# Altium PCB 脑电采集板V5.0.PcbDoc (part 1 of 2) (continued)
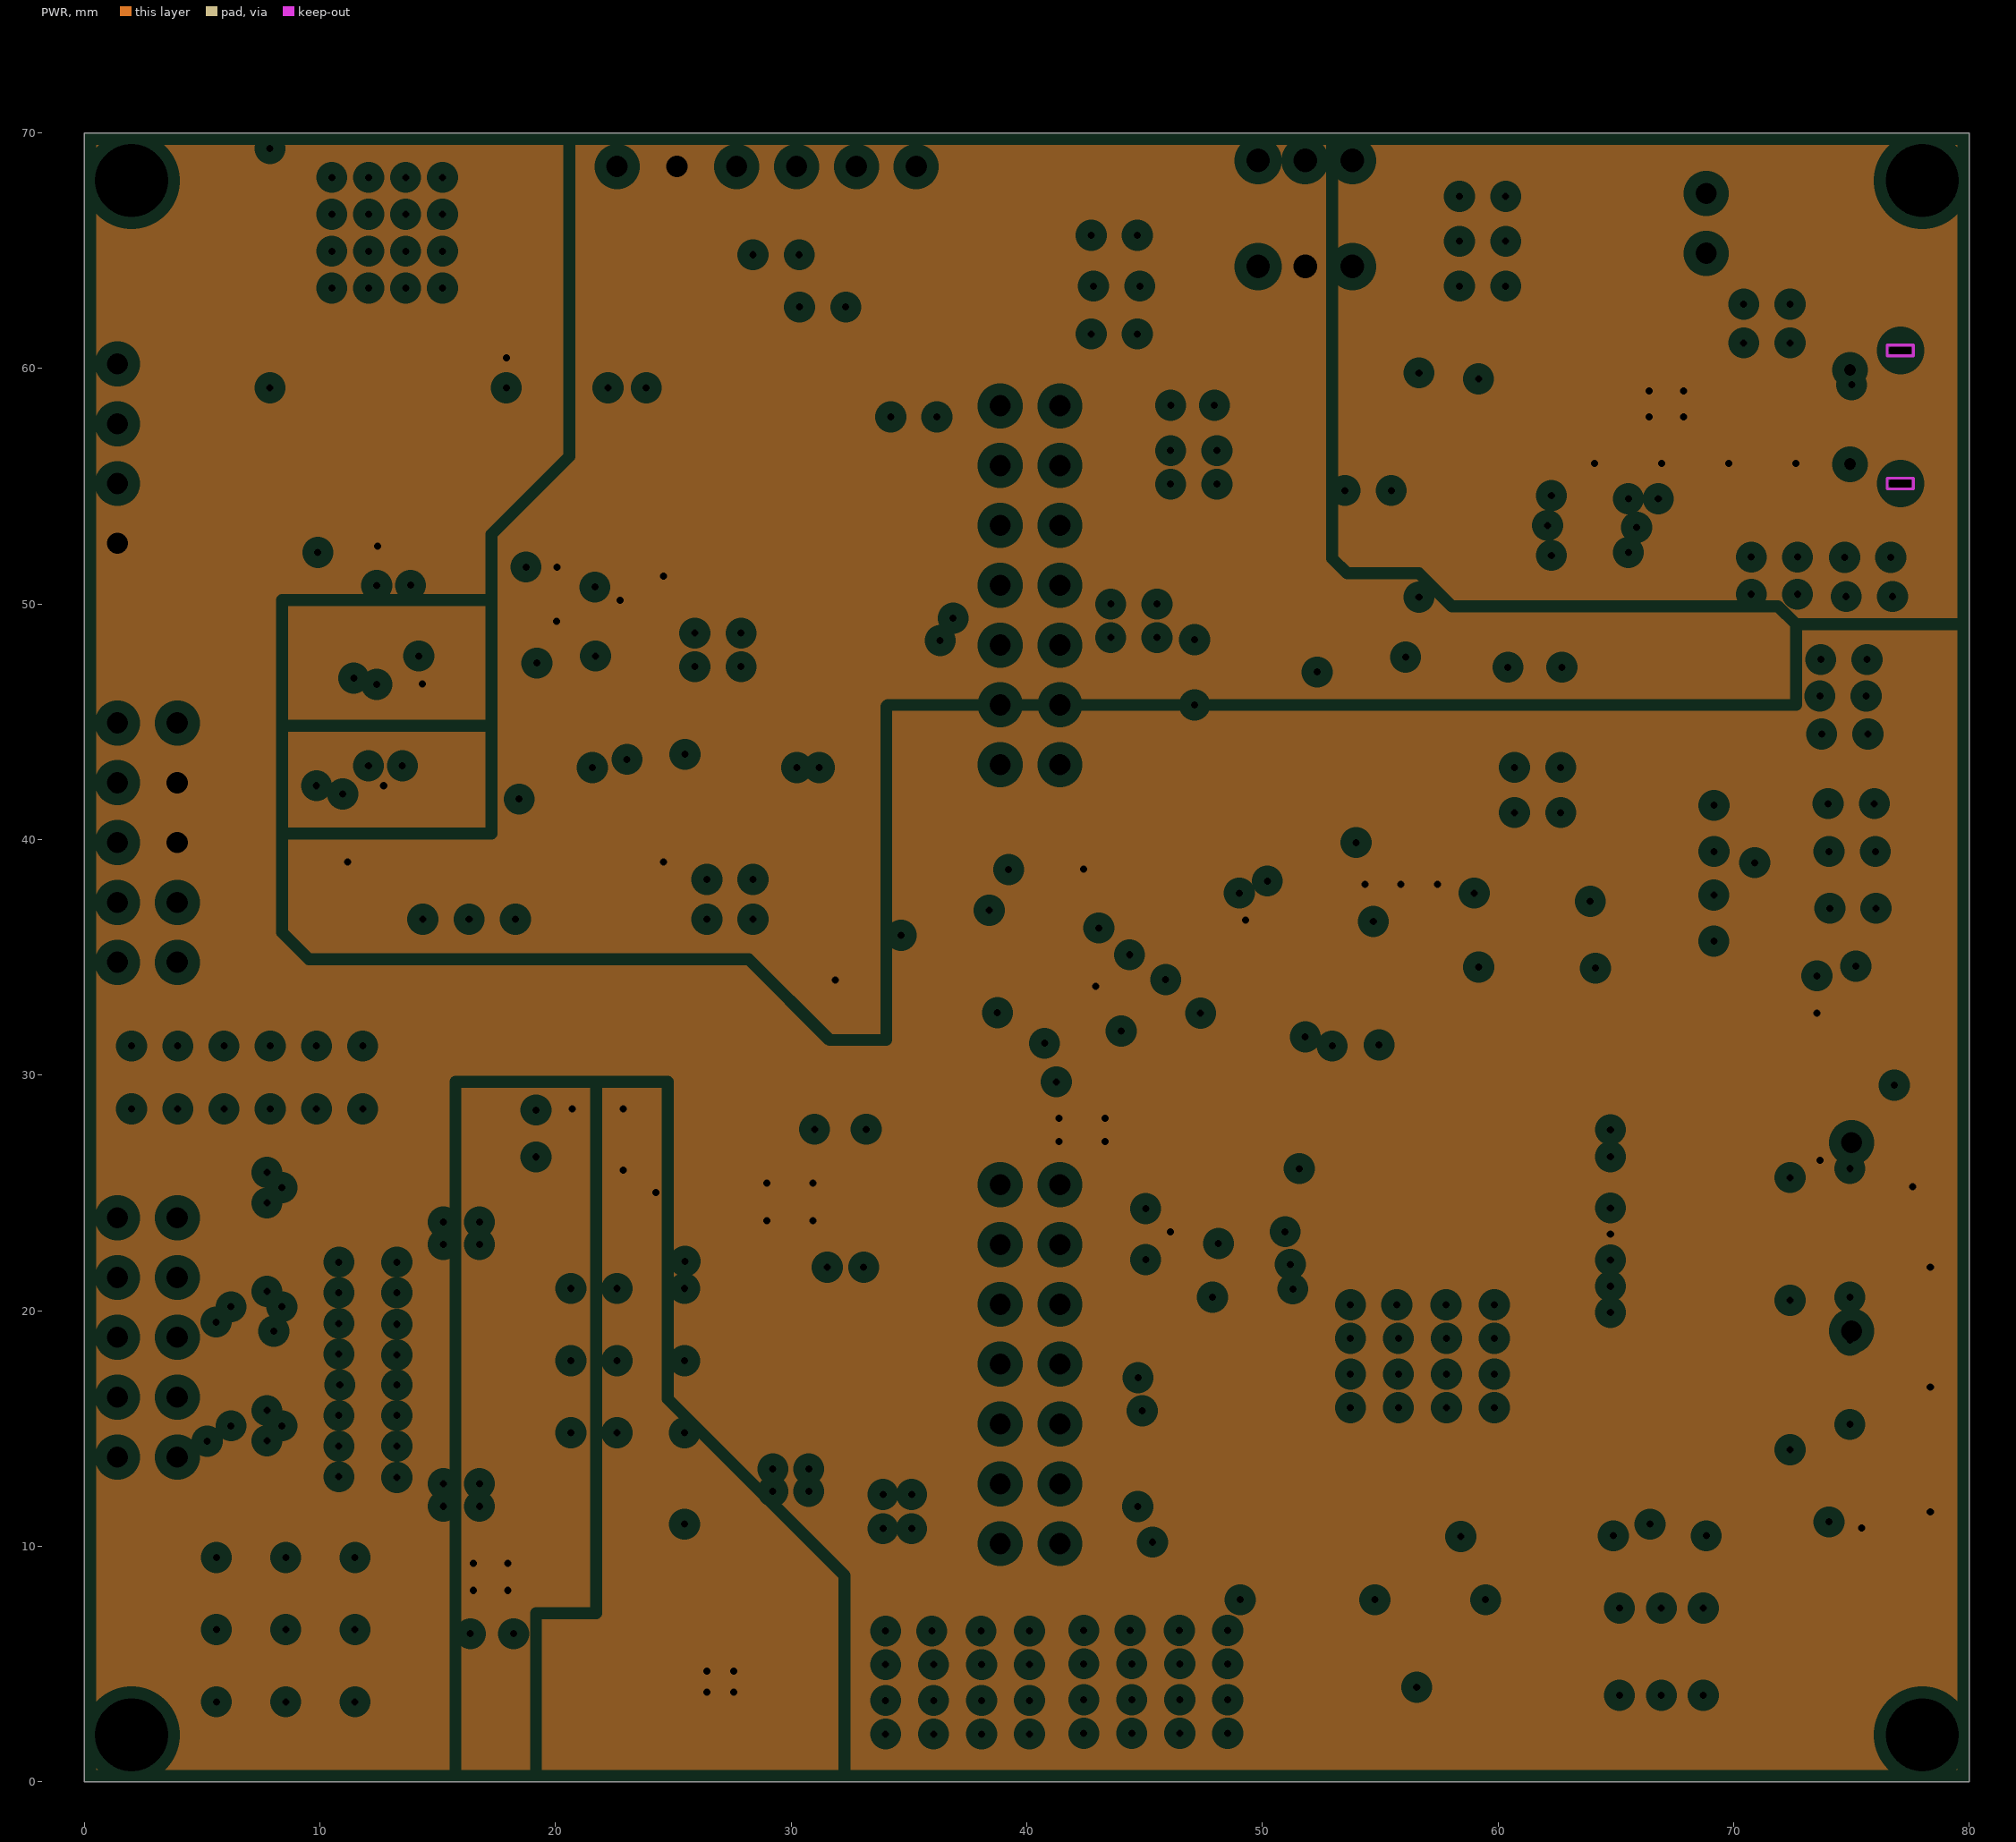
[diagram p3: PWR, clearances drawn from the general rule]
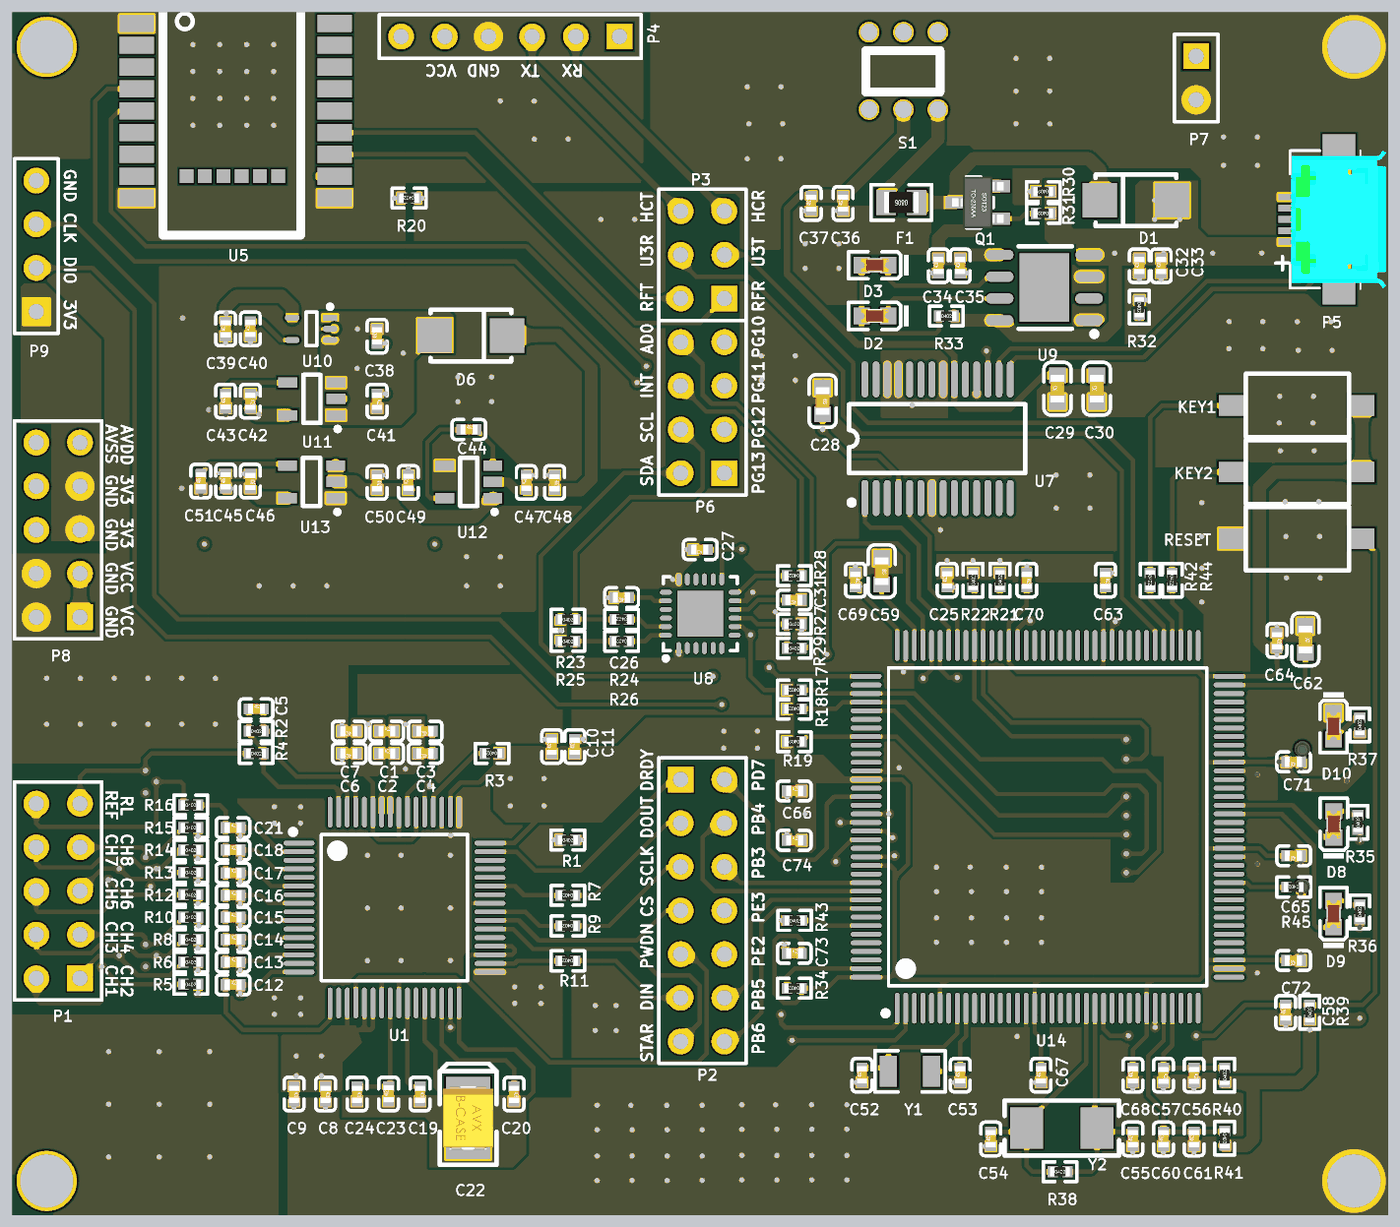
[diagram p5: 3D render of the assembled board from above, using the file's embedded part models]
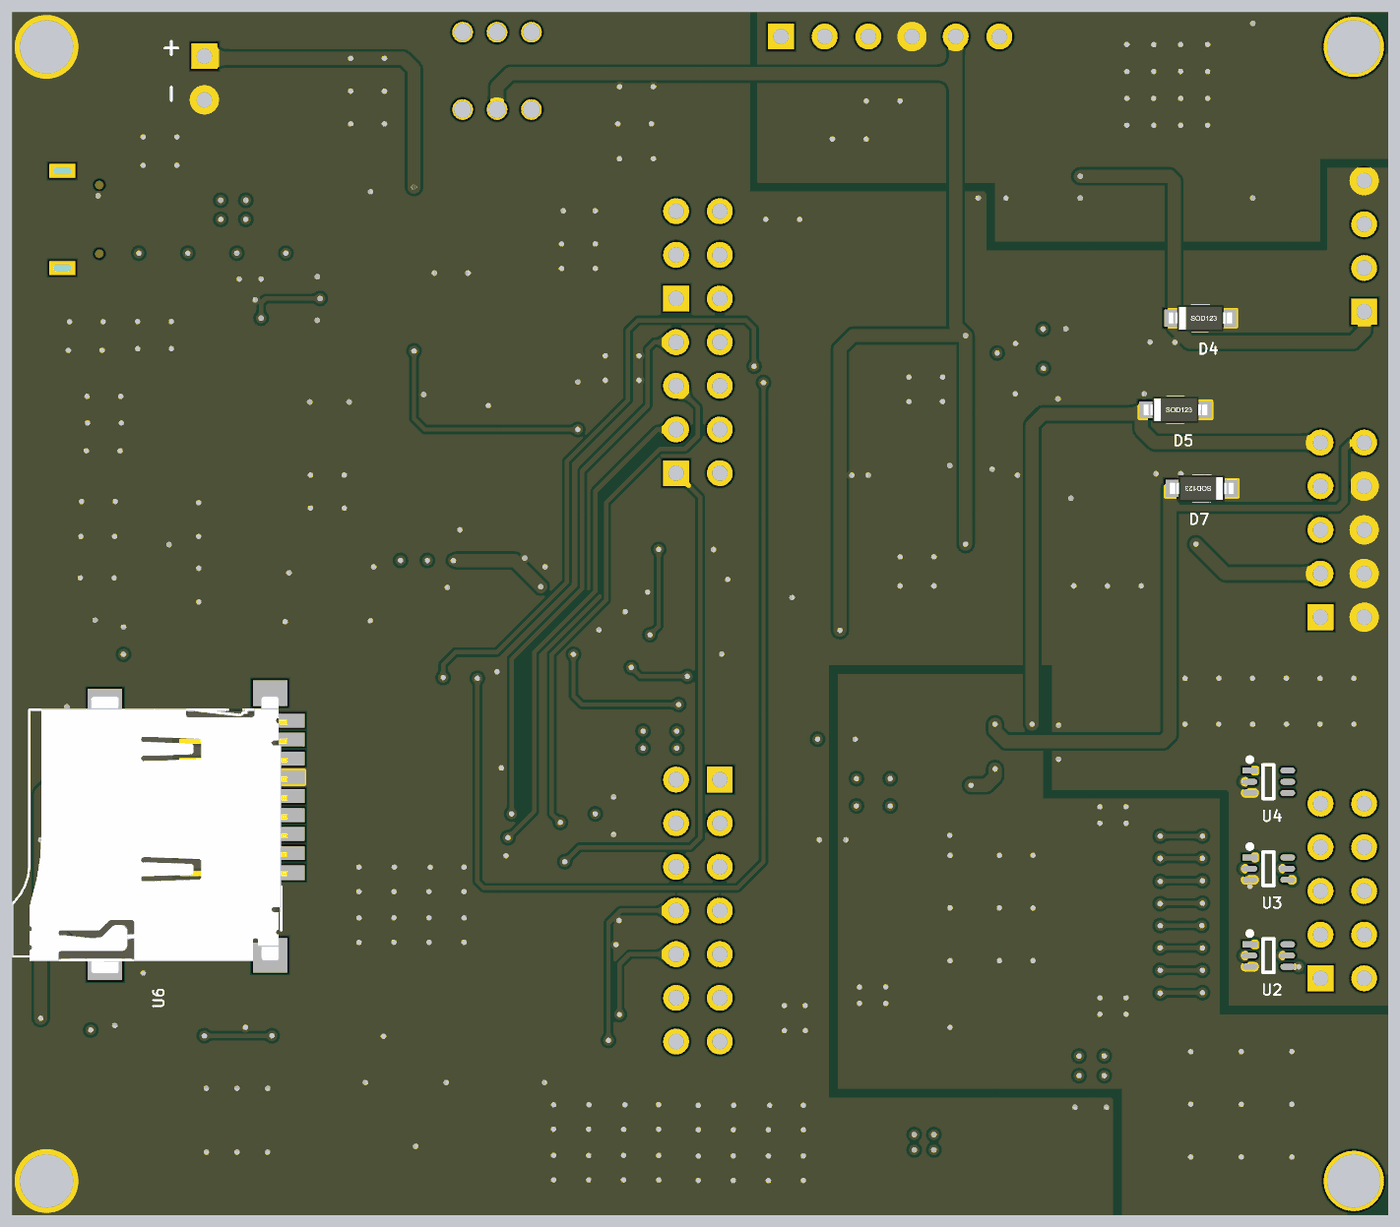
[diagram p6: 3D render of the assembled board from below, using the file's embedded part models]

## Layer stack, top to bottom
Top Solder: solder mask 0.0102, Solder Resist, Dk 3.5
Top Layer: signal copper 0.0356
Dielectric 1: core 0.254, FR-4, Dk 4.2
GND: plane copper 0.036, net AGND
Dielectric 3: prepreg 0.127, Dk 4.2
PWR: plane copper 0.036, net VCC3.3
Dielectric 2: core 0.254, Dk 4.2
Bottom Layer: signal copper 0.0356
Bottom Solder: solder mask 0.0102, Solder Resist, Dk 3.5

## Board outline
0,0 0,70 80,70 80,0

## Design rules (kind name [scope] priority, off if disabled: settings)
Clearance [All] p1: gap=0.152 ignorepadtopadclearanceinfootprint=FALSE
HoleSize [All] p1: absolutevalues=TRUE maxlimit=6 minlimit=0.3 maxpercent=80.000 minpercent=20.000
HoleToHoleClearance [All] p1: gap=0.5 allowstackedmicrovias=TRUE
PlaneClearance [All] p1: clearance=0.508
PlaneConnect [All] p1: planeconnectstyle=Direct reliefexpansion=0.508 reliefentries=4 reliefconductorwidth=0.254 reliefairgap=0.254
PolygonConnect [All] p1: connectstyle=Direct reliefconductorwidth=0.254 reliefentries=4 polygonreliefangle="90 Angle" airgapwidth=0.254
RoutingVias [All] p1: holewidth=0.711 width=1.27 viastyle="Through Hole" minholewidth=0.711 minwidth=1.27 maxholewidth=0.711 maxwidth=1.27
SilkToSilkClearance [All] p1: silktosilkclearance=0.152
SolderMaskExpansion [All] p1: expansion=0.102
Width [All] p1: maxlimit=0.762 minlimit=0.152 preferedwidth=0.254
25 further rules are at their usual default settings.

## Classes and differential pairs
net class PWR: 3V3 AGND AVDD AVSS DGND RFGND USB_5V VCC VCC3.3
component class STM32F407: C52 C53 C54 C55 C56 C57 C58 C59 C60 C61 C62 C63 C64 C65 C66 C67 C68 C69 C70 C71 C72 C73 C74 D8 D9 D10 KEY1 KEY2 P9 R34 R35 R36 R37 R38 R39 R40 R41 R42 R43 R44 R45 RESET U14 Y1 Y2
component class PWR: C32 C33 C34 C35 C36 C37 C38 C39 C40 C41 C42 C43 C44 C45 C46 C47 C48 C49 C50 C51 D1 D2 D3 D4 D5 D6 D7 F1 P7 P8 Q1 R30 R31 R32 R33 S1 U9 U10 U11 U12 U13
component class EEG: C1 C2 C3 C4 C5 C6 C7 C8 C9 C10 C11 C12 C13 C14 C15 C16 C17 C18 C19 C20 C21 C22 C23 C24 P1 P2 R1 R2 R3 R4 R5 R6 R7 R8 R9 R10 R11 R12 R13 R14 R15 R16 U1 U2 U3 U4
component class BLE: C25 C26 C27 C28 C29 C30 C31 P3 P4 P5 P6 R17 R18 R19 R20 R21 R22 R23 R24 R25 R26 R27 R28 R29 U5 U6 U7 U8

## Components (designator, comment, footprint, x,y, rotation, side; value= is the part's Value field where it differs from the comment)
C1 "1uF 50V" 0402_C 21.765,28.171 r0 top
C2 "100nF 50V" 0402_C 21.765,26.878 r0 top
C3 "1uF 50V" 0402_C 24.007,28.171 r180 top
C4 "100nF 50V" 0402_C 24.007,26.878 r180 top
C5 "1.5nF" 0402_C 14.18,29.464 r0 top
C6 "1uF 50V" 0402_C 19.593,26.878 r180 top
C7 "100nF 50V" 0402_C 19.593,28.171 r180 top
C8 "1uF 50V" 0402_C 18.214,7.061 r270 top
C9 "100nF 50V" 0402_C 16.383,7.061 r270 top
C10 "1uF 50V" 0402_C 31.369,27.278 r90 top
C11 "100nF 50V" 0402_C 32.701,27.278 r90 top
C12 "1nF (102) 10% 50V" 0402_C 12.831,13.411 r0 top
C13 "1nF (102) 10% 50V" 0402_C 12.831,14.745 r0 top
C14 "1nF (102) 10% 50V" 0402_C 12.831,16.046 r0 top
C15 "1nF (102) 10% 50V" 0402_C 12.831,17.348 r0 top
C16 "1nF (102) 10% 50V" 0402_C 12.831,18.618 r0 top
C17 "1nF (102) 10% 50V" 0402_C 12.831,19.916 r0 top
C18 "1nF (102) 10% 50V" 0402_C 12.831,21.253 r0 top
C19 "1uF 50V" 0402_C 23.709,7.061 r270 top
C20 "1uF 50V" 0402_C 29.17,7.061 r270 top
C21 "1nF (102) 10% 50V" 0402_C 12.831,22.555 r0 top
C22 "100uF (107) ±10% 6.3V" CASE-B_3528 26.503,5.664 r90 top
C23 "10uF" 0402_C 21.877,7.061 r90 top
C24 "100nF 50V" 0402_C 20.046,7.061 r270 top
C25 "100nF" 0402_C 54.356,36.956 r90 top
C26 "10uF" 0402_C 35.433,35.941 r180 top
C27 "100nF" 0402_C 40,38.735 r180 top
C28 "100nF (104) 10% 50V" 0603_C 47.117,47.371 r270 top
C29 "100nF" 0603_C 60.769,48.091 r90 top
C30 "4.7uF" 0603_C 63.057,48.091 r90 top
C31 "100nF" 0402_C 45.466,35.807 r180 top
C32 "100nF" 0402_C 65.532,55.245 r90 top
C33 "10uF" 0402_C 66.802,55.245 r90 top
C34 "10uF" 0402_C 53.848,55.245 r90 top
C35 "100nF" 0402_C 55.118,55.245 r90 top
C36 "100nF" 0402_C 48.31,58.868 r90 top
C37 "10uF" 0402_C 46.452,58.868 r90 top
C38 "1uF" 0402_C 21.209,51.149 r90 top
C39 "1uF" 0402_C 12.402,51.562 r90 top
C40 "1nF" 0402_C 13.843,51.574 r90 top
C41 "1uF" 0402_C 21.209,47.371 r270 top
C42 "1uF" 0402_C 13.843,47.371 r270 top
C43 "1nF" 0402_C 12.402,47.371 r90 top
C44 "1uF" 0402_C 26.543,45.72 r0 top
C45 "1uF" 0402_C 12.402,42.716 r90 top
C46 "10nF" 0402_C 13.843,42.716 r270 top
C47 "1uF" 0402_C 29.885,42.636 r90 top
C48 "10nF" 0402_C 31.536,42.636 r270 top
C49 "1uF" 0402_C 23.027,42.636 r90 top
C50 "10nF" 0402_C 21.209,42.636 r270 top
C51 "1nF" 0402_C 10.962,42.716 r90 top
C52 "10pF" 0402_C 49.403,8.157 r90 top
C53 "10pF" 0402_C 55.118,8.157 r90 top
C54 "22pF" 0402_C 56.896,4.445 r90 top
C55 "22pF" 0402_C 65.151,4.445 r90 top
C56 "10uF  10V" 0402_C 68.713,8.157 r270 top
C57 "100nF  50V" 0402_C 66.932,8.157 r270 top
C58 "100nF  50V" 0402_C 74.041,11.811 r90 top
C59 "2.2uF 16V" 0603_C 50.554,37.473 r270 top
C60 "10uF  10V" 0402_C 66.932,4.445 r90 top
C61 "100nF  50V" 0402_C 68.713,4.445 r90 top
C62 "2.2uF (225) 10% 16V" 0603_C 75.184,33.508 r270 top
C63 "100nF  50V" 0402_C 63.564,36.956 r270 top
C64 "100nF  50V" 0402_C 73.533,33.445 r270 top
C65 "100nF  50V" 0402_C 74.505,20.923 r180 top
C66 "100nF  50V" 0402_C 45.466,24.689 r0 top
C67 "100nF  50V" 0402_C 59.817,8.157 r90 top
C68 "100nF  50V" 0402_C 65.151,8.157 r90 top
C69 "100nF  50V" 0402_C 49.022,36.957 r270 top
C70 "100nF  50V" 0402_C 58.987,36.956 r270 top
C71 "100nF  50V" 0402_C 74.505,26.384 r180 top
C72 "100nF  50V" 0402_C 74.505,14.827 r180 top
C73 "100nF  50V" 0402_C 45.466,15.24 r0 top
C74 "100nF  50V" 0402_C 45.466,21.819 r0 top
D1 "SS210" SMA(DO-214AC)_S1 65.337,59.055 r0 top
D2 "红灯 0603" 0603_LED_S1 50.157,52.324 r180 top
D3 "绿灯 0603" 0603_LED_S1 50.157,55.272 r180 top
D4 "MMSZ4685T1G(3.6V)" SOD-123 10.922,52.197 r180 bottom
D5 "MMSZ4683T1G(3V)" SOD-123 12.368,46.863 r180 bottom
D6 "SS210" SMA(DO-214AC)_S1 26.67,51.181 r180 top
D7 "MMSZ4683T1G(3V)" SOD-123 10.844,42.291 r0 bottom
D8 "绿灯 0603" 0603_LED_S1 76.835,22.741 r90 top
D9 "绿灯 0603" 0603_LED_S1 76.823,17.534 r90 top
D10 "红灯 0603" 0603_LED_S1 76.823,28.459 r270 top
F1 "Fuse 1A" 0805_R 51.689,58.928 r180 top
KEY1 "SW-PB" KEY_3.6*2.5 74.676,47.117 r180 top
KEY2 "SW-PB" KEY_3.6*2.5 74.676,43.243 r180 top
P1 "信号采集端口" HDR2X5 3.937,13.792 r90 top
P2 "Header 7X2" HDR2X7 38.862,25.353 r270 top
P3 "蓝牙选择" HDR2X3 41.402,53.34 r90 top
P4 "HC-05_CON" HDR1X6 35.306,68.58 r180 top
P5 "USB" MICRO-USB 76.589,57.943 r90 top
P6 "Header 4X2" HDR2X4 41.402,43.18 r90 top
P7 "battery" HDR1X2 68.834,67.437 r270 top
P8 "电源" HDR2X5 3.937,34.798 r90 top
P9 "SWD" HDR1X4 1.397,52.578 r90 top
Q1 "BSS84LT1G" SOT-23(SOT-23-3) 56.134,58.928 r0 top
R1 "0Ω" 0402_R 32.301,21.844 r0 top
R2 "1MΩ" 0402_R 14.18,28.171 r0 top
R3 "10KΩ" 0402_R 27.896,26.878 r180 top
R4 "100KΩ" 0402_R 14.18,26.878 r0 top
R5 "2.2KΩ (2201) ±1%" 0402_R 10.374,13.443 r0 top
R6 "2.2KΩ (2201) ±1%" 0402_R 10.374,14.745 r0 top
R7 "0Ω" 0402_R 32.301,18.618 r180 top
R8 "2.2KΩ (2201) ±1%" 0402_R 10.374,16.046 r0 top
R9 "0Ω" 0402_R 32.301,16.84 r180 top
R10 "2.2KΩ (2201) ±1%" 0402_R 10.374,17.348 r0 top
R11 "0Ω" 0402_R 32.301,14.808 r180 top
R12 "2.2KΩ (2201) ±1%" 0402_R 10.374,18.65 r0 top
R13 "2.2KΩ (2201) ±1%" 0402_R 10.374,19.952 r0 top
R14 "2.2KΩ (2201) ±1%" 0402_R 10.374,21.253 r0 top
R15 "2.2KΩ (2201) ±1%" 0402_R 10.374,22.555 r0 top
R16 "2.2KΩ (2201) ±1%" 0402_R 10.374,23.876 r0 top
R17 "47KΩ" 0402_R 45.466,30.556 r180 top
R18 "47KΩ" 0402_R 45.466,29.464 r180 top
R19 "47KΩ" 0402_R 45.466,27.559 r180 top
R20 "0Ω" 0402_R 23.07,59.182 r180 top
R21 "47KΩ" 0402_R 57.426,36.956 r90 top
R22 "47KΩ" 0402_R 55.865,36.956 r90 top
R23 "4.7KΩ" 0402_R 32.301,34.671 r0 top
R24 "120Ω" 0402_R 35.433,34.671 r180 top
R25 "4.7KΩ" 0402_R 32.301,33.401 r0 top
R26 "120Ω" 0402_R 35.433,33.401 r180 top
R27 "10KΩ" 0402_R 45.466,34.404 r0 top
R28 "120Ω" 0402_R 45.466,37.211 r180 top
R29 "120Ω" 0402_R 45.466,33 r0 top
R30 "100KΩ" 0402_R 59.944,59.563 r180 top
R31 "100KΩ" 0402_R 59.944,58.293 r180 top
R32 "1.2KΩ" 0402_R 65.532,52.832 r270 top
R33 "1KΩ" 0402_R 54.312,52.324 r0 top
R34 "0Ω" 0402_R 45.466,13.208 r180 top
R35 "510Ω" 0402_R 78.244,22.868 r90 top
R36 "510Ω" 0402_R 78.347,17.655 r90 top
R37 "1KΩ" 0402_R 78.347,28.533 r90 top
R38 "1MΩ" 0402_R 60.916,2.54 r0 top
R39 "10K" 0402_R 75.438,11.811 r90 top
R40 "10Ω" 0402_R 70.494,8.157 r90 top
R41 "10Ω (10R0) ±1%" 0402_R 70.494,4.489 r270 top
R42 "10K" 0402_R 66.167,36.957 r270 top
R43 "10K" 0402_R 45.493,17.157 r0 top
R44 "10K" 0402_R 67.437,36.956 r270 top
R45 "10K" 0402_R 74.505,19.102 r180 top
RESET "SW-PB" KEY_3.6*2.5 74.676,39.37 r180 top (schematic designator RESET1)
S1 "SW-PB" KEY_5.8*5.8 53.816,64.334 r90 top
U1 "ADS1299" LQFP-64_10x10x05P 22.225,17.907 r270 top
U2 "TPD4E1B06DCKR" TPD4 8.042,15.763 r180 bottom
U3 "TPD4E1B06DCKR" TPD4 8.042,20.82 r180 bottom
U4 "TPD4E1B06DCKR" TPD4 8.042,25.876 r180 bottom
U5 "nRF52832" nRF52832 12.065,64.643 r180 top
U6 "TF_Card" TF_1 64.008,19.934 r90 bottom
U7 "FT232RL-REEL" SSOP-28_208mil 53.799,45.185 r0 top
U8 "MPU-6050" QFN-24_4x4x05P 40,35 r0 top
U9 "TP4056" SOP-8_EP_150mil 60.012,53.975 r90 top
U10 "TPS71733DCKR" SC-70-5 18.476,52.224 r180 top
U11 "TPS73225" SOT-23-5 17.419,47.498 r0 top
U12 "TPS60403" SOT-23-5 26.543,42.672 r0 top
U13 "TPS72325" SOT-23-5 17.399,42.672 r0 top
U14 "STM32F429ZGT6" LQFP-144_20x20x05P 60.198,22.606 r0 top
Y1 "32.768KHz" "SMD-3215_2P FC - 135" 52.197,8.382 r0 top
Y2 "8MHz" SMD-5032_2P 61.024,5.08 r0 top

## Footprints (in the part's own frame and the unit in brackets; to place one, negate y for a bottom-side part, rotate by r counter-clockwise, add the part's x,y. Pads: shape width x height; smd on the part's side, far side on the other; paste and mask are expansions set on the pad)
0402_C [mm]
  rect 0.6x0.65 smd mask+0.051: 1(-0.425,0) 2(0.425,0)
  silkscreen extent -0.97,-0.58 0.97,0.58, body extent -0.48,-0.3 0.52,0.3, height 0.2
0402_R [mm]
  rect 0.6x0.65 smd mask+0.051: 1(-0.425,0) 2(0.425,0)
  silkscreen extent -0.97,-0.58 0.97,0.58, body extent -0.57,-0.27 0.58,0.28, height 0.41
0603_C [mm]
  rect 0.93x0.98 smd: 1(-0.77,0) 2(0.77,0)
  silkscreen extent -1.53,-0.79 1.54,0.79, body extent -0.8,-0.4 0.8,0.4, height 0.3
0603_LED_S1 [mm]
  rect 0.93x0.98 smd: A(0.77,0) K(-0.77,0)
  silkscreen extent -1.98,-0.79 1.54,0.79, body extent -0.8,-0.4 0.8,0.4, height 0.6
0805_R [mm]
  rect 1.16x1.47 smd: 1(-0.89,0) 2(0.89,0)
  silkscreen extent -1.77,-1.04 1.77,1.03, body extent -1,-0.62 1,0.63, height 0.49
CASE-B_3528 [mm]
  rect 1.8x2.6 smd: 1(1.5,0) 2(-1.5,0)
  silkscreen extent -2.73,-1.65 3.16,1.65, body extent -1.85,-1.47 1.85,1.46, height 2.03
HDR1X2 [mm] "Connector; Header; 2 Position"
  rect 1.5x1.5 hole 0.9: 1(0,0)
  round 1.5 hole 0.9: 2(2.54,0)
  silkscreen extent -1.27,-1.27 3.81,1.27
HDR1X4 [mm] "Connector; Header; 4 Position"
  rect 1.5x1.5 hole 0.9: 1(0,0)
  round 1.5 hole 0.9: 2(2.54,0) 3(5.08,0) 4(7.62,0)
  silkscreen extent -1.27,-1.27 8.89,1.27
HDR1X6 [mm] "Connector; Header; 6 Position"
  rect 1.5x1.5 hole 0.9: 1(0,0)
  round 1.5 hole 0.9: 2(2.54,0) 3(5.08,0) 4(7.62,0) 5(10.16,0) 6(12.7,0)
  silkscreen extent -1.27,-1.27 13.97,1.27
HDR2X3 [mm] "Connector; Header; 3x2 Position"
  rect 1.5x1.5 hole 0.9: 1(0,0)
  round 1.5 hole 0.9: 2(0,2.54) 3(2.54,0) 4(2.54,2.54) 5(5.08,0) 6(5.08,2.54)
  silkscreen extent -1.27,-1.27 6.35,3.81
HDR2X4 [mm] "Connector; Header; 4x2 Position"
  rect 1.5x1.5 hole 0.9: 1(0,0)
  round 1.5 hole 0.9: 2(0,2.54) 3(2.54,0) 4(2.54,2.54) 5(5.08,0) 6(5.08,2.54) 7(7.62,0) 8(7.62,2.54)
  silkscreen extent -1.27,-1.27 8.89,3.81
HDR2X5 [mm] "Connector; Header; 5x2 Position"
  rect 1.5x1.5 hole 0.9: 1(0,0)
  round 1.5 hole 0.9: 2(0,2.54) 3(2.54,0) 4(2.54,2.54) 5(5.08,0) 6(5.08,2.54) 7(7.62,0) 8(7.62,2.54) 9(10.16,0) 10(10.16,2.54)
  silkscreen extent -1.27,-1.27 11.43,3.81
HDR2X7 [mm] "Connector; Header; 7x2 Position"
  rect 1.5x1.5 hole 0.9: 1(0,0)
  round 1.5 hole 0.9: 2(0,2.54) 3(2.54,0) 4(2.54,2.54) 5(5.08,0) 6(5.08,2.54) 7(7.62,0) 8(7.62,2.54) 9(10.16,0) 10(10.16,2.54) 11(12.7,0) 12(12.7,2.54) 13(15.24,0) 14(15.24,2.54)
  silkscreen extent -1.27,-1.27 16.51,3.81
KEY_3.6*2.5 [mm]
  rect 1.5x1.2 smd: 1(-3.784,0) 2(3.785,0)
  silkscreen extent -3.05,-1.85 2.95,1.85
KEY_5.8*5.8 [mm] "KEY_5.8*5.8"
  round 1.2 hole 1: 1(0,0) 2(0,2) 3(0,4) 4(4.5,4) 5(4.5,2) 6(4.5,0)
  silkscreen extent 1.02,-0.13 3.43,4.19
LQFP-64_10x10x05P [mm]
  oval 0.28x1.8 smd mask+0.051: 1(-3.75,-5.55) 2(-3.25,-5.55) 3(-2.75,-5.55) 4(-2.25,-5.55) 5(-1.75,-5.55) 6(-1.25,-5.55) 7(-0.75,-5.55) 8(-0.25,-5.55) 9(0.25,-5.55) 10(0.75,-5.55) 11(1.25,-5.55) 12(1.75,-5.55) 13(2.25,-5.55) 14(2.75,-5.55) 15(3.25,-5.55) 16(3.75,-5.55) 33(3.75,5.55) 34(3.25,5.55) 35(2.75,5.55) 36(2.25,5.55) 37(1.75,5.55) 38(1.25,5.55) 39(0.75,5.55) 40(0.25,5.55) 41(-0.25,5.55) 42(-0.75,5.55) 43(-1.25,5.55) 44(-1.75,5.55) 45(-2.25,5.55) 46(-2.75,5.55) 47(-3.25,5.55) 48(-3.75,5.55)
  oval 1.8x0.28 smd mask+0.051: 17(5.55,-3.75) 18(5.55,-3.25) 19(5.55,-2.75) 20(5.55,-2.25) 21(5.55,-1.75) 22(5.55,-1.25) 23(5.55,-0.75) 24(5.55,-0.25) 25(5.55,0.25) 26(5.55,0.75) 27(5.55,1.25) 28(5.55,1.75) 29(5.55,2.25) 30(5.55,2.75) 31(5.55,3.25) 32(5.55,3.75) 49(-5.55,3.75) 50(-5.55,3.25) 51(-5.55,2.75) 52(-5.55,2.25) 53(-5.55,1.75) 54(-5.55,1.25) 55(-5.55,0.75) 56(-5.55,0.25) 57(-5.55,-0.25) 58(-5.55,-0.75) 59(-5.55,-1.25) 60(-5.55,-1.75) 61(-5.55,-2.25) 62(-5.55,-2.75) 63(-5.55,-3.25) 64(-5.55,-3.75)
  silkscreen extent -4.55,-6.05 4.25,4.25
LQFP-144_20x20x05P [mm]
  oval 0.28x1.8 smd mask+0.051: 1(-8.75,-10.55) 2(-8.25,-10.55) 3(-7.75,-10.55) 4(-7.25,-10.55) 5(-6.75,-10.55) 6(-6.25,-10.55) 7(-5.75,-10.55) 8(-5.25,-10.55) 9(-4.75,-10.55) 10(-4.25,-10.55) 11(-3.75,-10.55) 12(-3.25,-10.55) 13(-2.75,-10.55) 14(-2.25,-10.55) 15(-1.75,-10.55) 16(-1.25,-10.55) 17(-0.75,-10.55) 18(-0.25,-10.55) 19(0.25,-10.55) 20(0.75,-10.55) 21(1.25,-10.55) 22(1.75,-10.55) 23(2.25,-10.55) 24(2.75,-10.55) 25(3.25,-10.55) 26(3.75,-10.55) 27(4.25,-10.55) 28(4.75,-10.55) 29(5.25,-10.55) 30(5.75,-10.55) 31(6.25,-10.55) 32(6.75,-10.55) 33(7.25,-10.55) 34(7.75,-10.55) 35(8.25,-10.55) 36(8.75,-10.55) 73(8.75,10.55) 74(8.25,10.55) 75(7.75,10.55) 76(7.25,10.55) 77(6.75,10.55) 78(6.25,10.55) 79(5.75,10.55) 80(5.25,10.55) 81(4.75,10.55) 82(4.25,10.55) 83(3.75,10.55) 84(3.25,10.55) 85(2.75,10.55) 86(2.25,10.55) 87(1.75,10.55) 88(1.25,10.55) 89(0.75,10.55) 90(0.25,10.55) 91(-0.25,10.55) 92(-0.75,10.55) 93(-1.25,10.55) 94(-1.75,10.55) 95(-2.25,10.55) 96(-2.75,10.55) 97(-3.25,10.55) 98(-3.75,10.55) 99(-4.25,10.55) 100(-4.75,10.55) 101(-5.25,10.55) 102(-5.75,10.55) 103(-6.25,10.55) 104(-6.75,10.55) 105(-7.25,10.55) 106(-7.75,10.55) 107(-8.25,10.55) 108(-8.75,10.55)